# Altium PCB Card вариант 7.3 _ 7.03.2024.PcbDoc
Units mm, origin at the board's own origin, x right, y up, seen from the top; angles counter-clockwise.
Board outline 105 x 55 mm, 2 copper layers (Top Layer, Bottom Layer); 34 components, 28 nets, 219 pads, 45 vias.
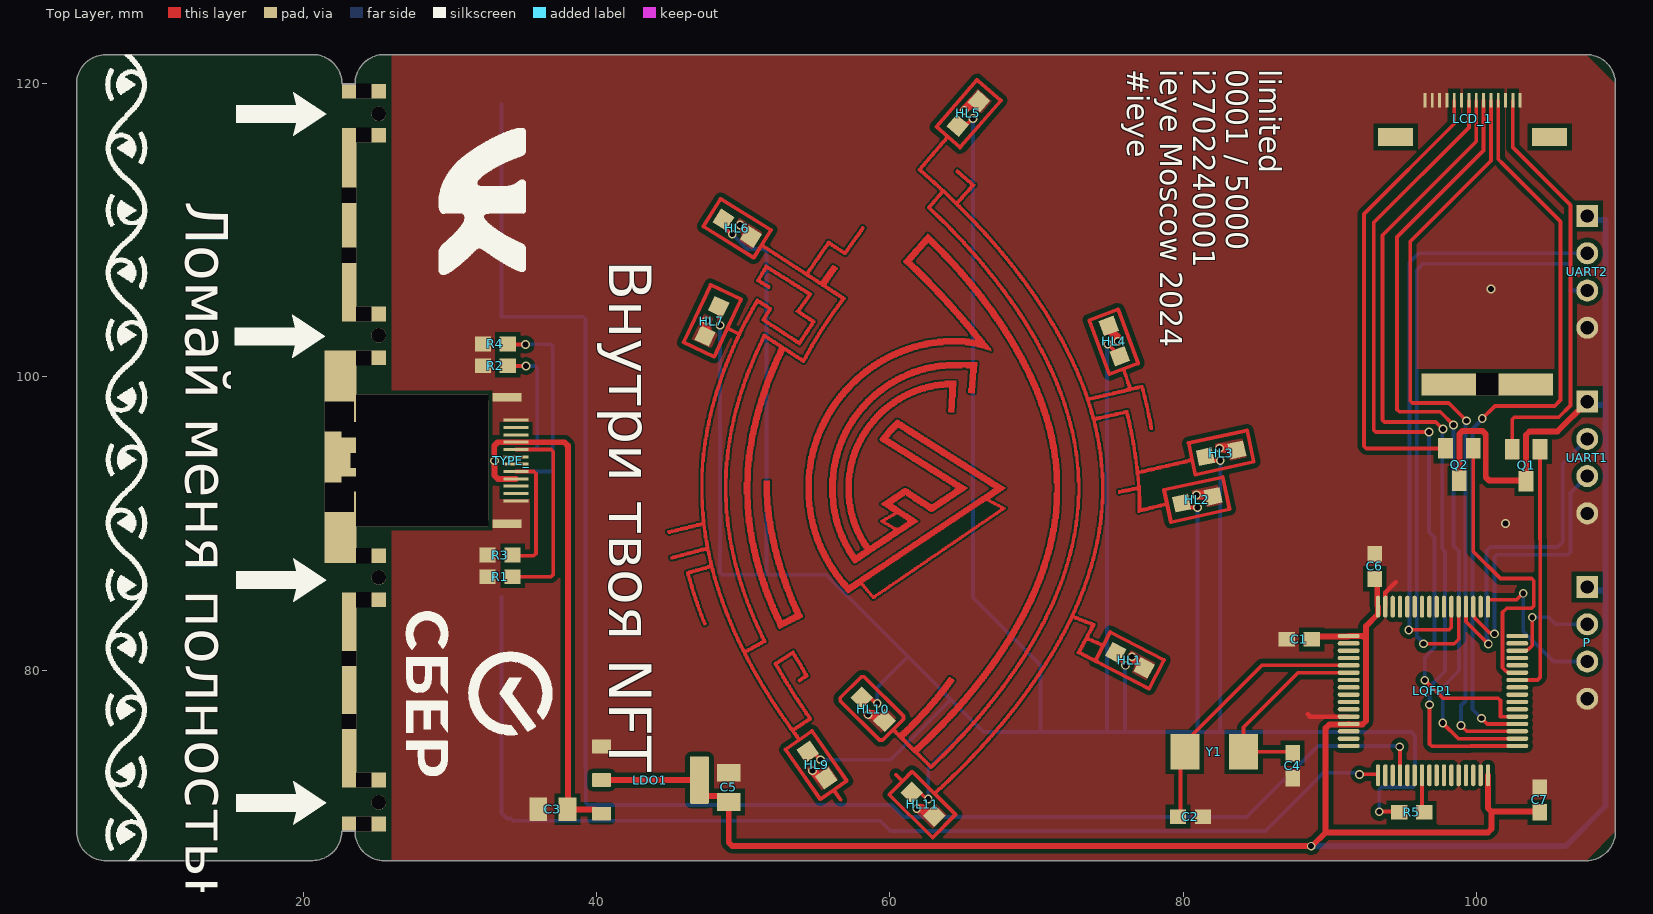
[diagram p0: Top Layer view]
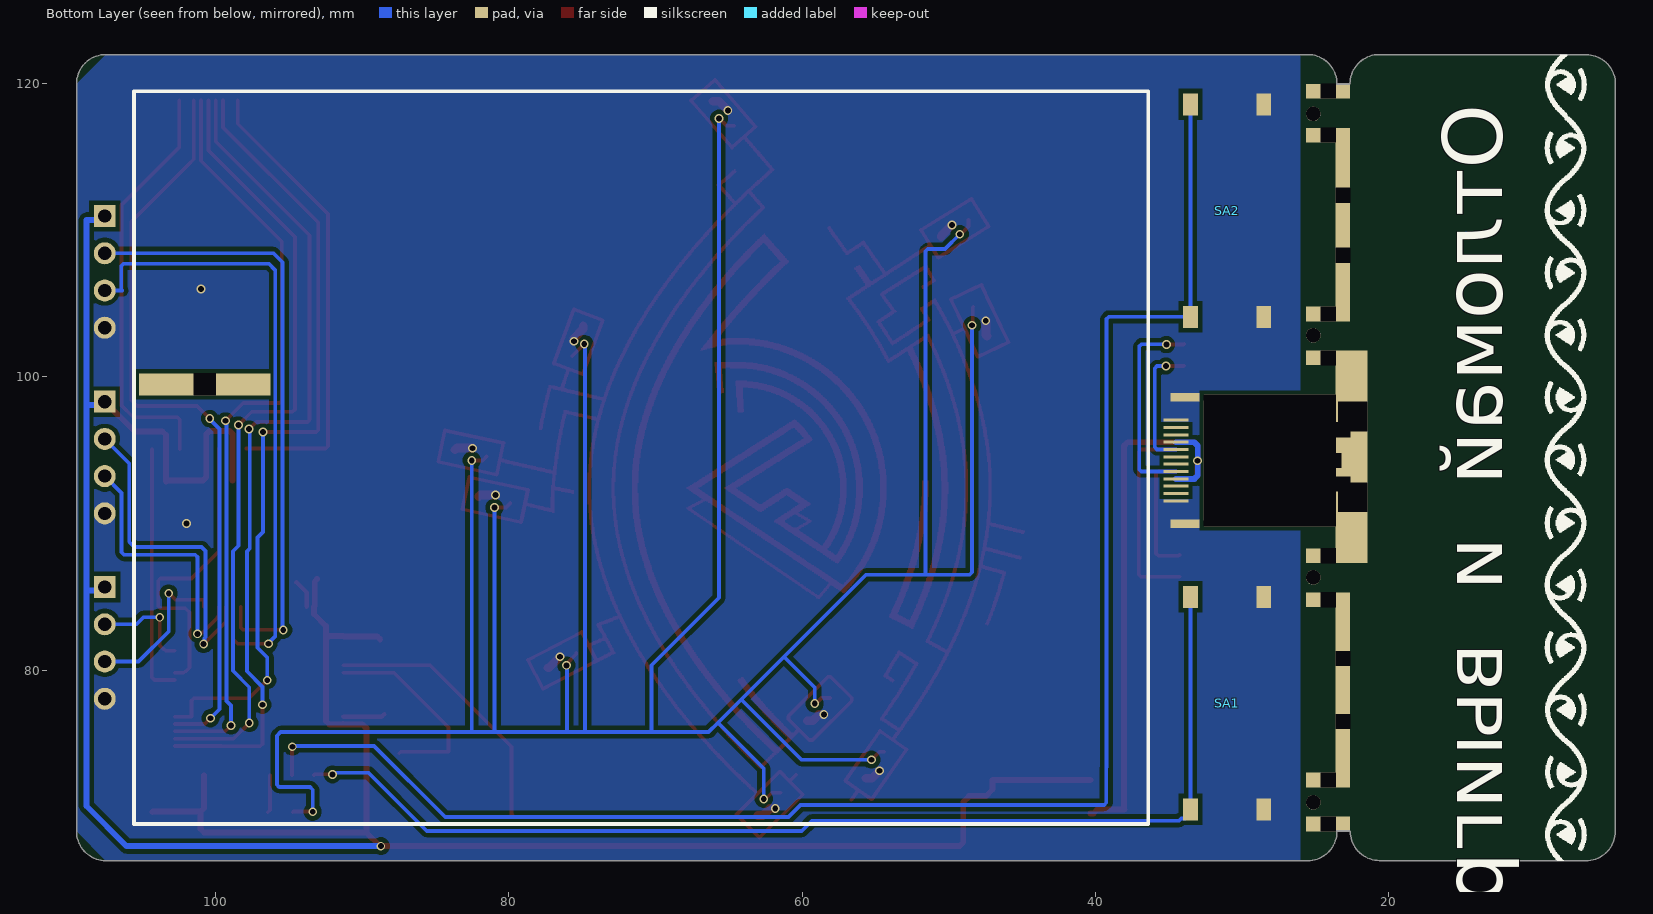
[diagram p1: Bottom Layer view, seen from below]
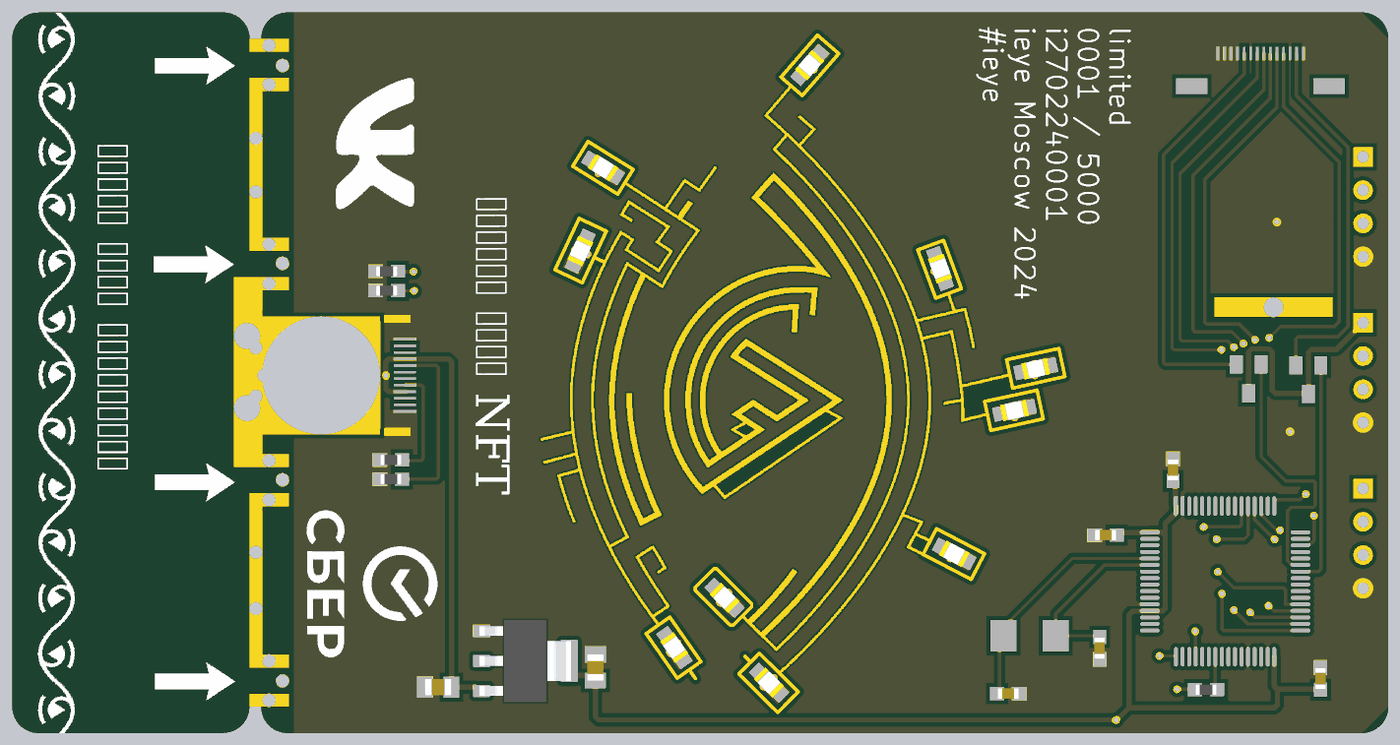
[diagram p2: 3D render of the assembled board from above, using the file's embedded part models]

## Layer stack, top to bottom
Top Solder: solder mask 0.0102, Solder Resist, Dk 3.5
Top Layer: signal copper 0.0356
Dielectric 1: dielectric 0.32, FR-4, Dk 4.8
Bottom Layer: signal copper 0.0356
Bottom Solder: solder mask 0.0102, Solder Resist, Dk 3.5

## Board outline
6.51,67 20.59,67 20.6,67.01 ccw(c20.6,69.01) 22.6,69.01 22.6,69 23.5,69 ccw(c25.5,69) 25.5,67 107.5,67 ccw(c107.5,69) 109.5,69 109.5,120 ccw(c107.5,120) 107.5,122 25.5,122 ccw(c25.5,120) 23.5,120 22.6,120 22.615,120 ccw(c20.615,120) 20.615,122 6.51,122 6.5,121.99 ccw(c6.5,119.99) 4.5,119.99 4.5,69.01 4.51,69 ccw(c6.51,69)

## Design rules (kind name [scope] priority, off if disabled: settings)
Clearance [All] p1: gap=0.125 ignorepadtopadclearanceinfootprint=TRUE except(0: Arc-Hole Track-Hole SMDPad-Hole THPad-Hole Via-Hole Fill-Hole Poly-Hole Region-Hole Text-Hole; 0.3: Arc-Poly Track-Poly SMDPad-Poly THPad-Poly Via-Poly Fill-Poly Poly-Poly)
PlaneClearance [All] p1: clearance=1
PolygonConnect [All] p1: connectstyle=Direct reliefconductorwidth=0.254 reliefentries=4 polygonreliefangle="90 Angle" airgapwidth=0.254
RoutingVias [All] p1: holewidth=0.4 width=0.6 viastyle="Through Hole" minholewidth=0.4 minwidth=0.6 maxholewidth=0.4 maxwidth=0.7
SolderMaskExpansion [All] p1: expansion=0.025 istentingtop=FALSE
Width GND [InNet('GND')] p1: maxlimit=0.6 minlimit=0.3 preferedwidth=0.6 toplayer_prefwidth=0.3 minimp=50.000000 maximp=50.000000 favimp=50.000000
Width 3V3 [InNet('3V3')] p2: maxlimit=0.4 minlimit=0.4 preferedwidth=0.4 minimp=50.000000 maximp=50.000000 favimp=50.000000
Width VCC [InNet('VCC')] p3: maxlimit=0.4 minlimit=0.4 preferedwidth=0.4 minimp=50.000000 maximp=50.000000 favimp=50.000000
Width [All] p4: maxlimit=0.254 minlimit=0.254 preferedwidth=0.254
29 further rules are at their usual default settings.

## Components (designator, comment, footprint, x,y, rotation, side; value= is the part's Value field where it differs from the comment)
C1 "100nF" C0603 87.925,82.1 r180 top
C2 "22pF" C0603 80.5,70 r0 top
C3 "Capacitor" C0805 37,70.5 r180 top value=10uF
C4 "22pF" C0603 87.475,73.475 r270 top
C5 "Capacitor" C0805 49,72 r90 top value=10uF
C6 "100nF" C0603 93.075,87.075 r270 top
C7 "100nF" C0603 104.325,71.15 r270 top
HL1 "Text" LD0805 76.375,80.675 r332 top
HL2 "Text" LD0805 80.975,91.625 r12 top
HL3 "Text" LD0805 82.6,94.8 r12 top
HL4 "Text" LD0805 75.3,102.45 r110 top
HL5 "Text" LD0805 65.347,117.98 r49 top
HL6 "Text" LD0805 49.575,110.15 r328 top
HL7 "Text" LD0805 47.85,103.8 r245 top
HL9 "Text" LD0805 55.019,73.526 r305 top
HL10 "Text" LD0805 58.85,77.325 r315 top
HL11 "Text" LD0805 62.25,70.85 r315 top
LCD_1 "LCD_10.12" LCD_1 99.725,118.875 r0 top locked
LDO1 "AMS1117" SOT229P700X180-4N 43.655,72.5 r0 top
LQFP1 "LQFP64-10x10" LQFP64-10x10 97.05,78.575 r0 top
P "Header 4" HDR1X4 107.575,85.665 r270 top locked
Q1 "S9013" SOT95P240X120-3N 103.4,93.975 r180 top
Q2 "S9013" SOT95P240X120-3N 98.85,94.025 r180 top
R1 "Resistor" R0603 33.4,86.375 r0 top locked value=470Om
R2 "Resistor" R0603 33.075,100.775 r0 top locked value=470Om
R3 "Resistor" R0603 33.4,87.85 r0 top locked value=470Om
R4 "Resistor" R0603 33.075,102.25 r0 top locked value=470Om
R5 "Resistor" R0603 95.6,70.3 r0 top value="??? Om"
SA1 "Text" BASS_02 31.125,77.875 r90 bottom locked
SA2 "Text" BASS_02 31.125,111.475 r90 bottom locked
TYPE_ "TYPE-C_18.09" TYPE-C_18.09 32.6,94.25 r270 top locked
UART1 "Header 4" HDR1X4 107.575,98.315 r270 top
UART2 "Header 4" HDR1X4 107.575,110.98 r270 top
Y1 "ABM7-8.000MHZ-8-R80-D2Y-T" NX5032GA 80.9,74.55 r180 top

## Footprints (in the part's own frame and the unit in brackets; to place one, negate y for a bottom-side part, rotate by r counter-clockwise, add the part's x,y. Pads: shape width x height; smd on the part's side, far side on the other; paste and mask are expansions set on the pad)
BASS_02 [mm]
  rect 1.5x1 smd: 1(-7.375,2.375) 1(7.125,2.375) 2(-7.375,-2.625) 2(7.125,-2.625)
C0603 [mm] "1608M"
  rect 1.1x1 smd: 1(-0.85,0) 2(0.85,0)
  body extent -0.8,-0.4 0.8,0.4, height 0.91
C0805 [mm] "2012M"
  rect 1.2x1.6 smd: 1(-1,0) 2(1,0)
  body extent -1,-0.62 1,0.63, height 1.01
HDR1X4 [mm] "Connector; Header; 4 Position"
  rect 1.5x1.5 hole 0.9: 1(0,0)
  round 1.5 hole 0.9: 2(2.54,0) 3(5.08,0) 4(7.62,0)
LCD_1 [mm]
  rect 0.2x1 smd: 1(-3.225,0) 2(-2.725,0) 3(-2.225,0) 4(-1.725,0) 5(-1.225,0) 6(-0.725,0) 7(-0.225,0) 8(0.275,0) 9(0.775,0) 10(1.275,0) 11(1.775,0) 12(2.275,0) 13(2.775,0) 14(3.275,0)
  rect 2.4x1.2 smd: ""(-5.225,-2.5) ""(5.275,-2.5)
LD0805 [mm]
  rect 1.1x1.1 smd: 1(-1.1,0) 2(1.1,0)
  body extent -1,-0.62 1,0.63, height 0.73
LQFP64-10x10 [mm] "TSQFP, 64-Leads, Body 10,00x10,00mm, Pitch 0,50mm, IPC Medium Density"
  oval 1.5x0.3 smd: 1(-5.75,3.75) 2(-5.75,3.25) 3(-5.75,2.75) 4(-5.75,2.25) 5(-5.75,1.75) 6(-5.75,1.25) 7(-5.75,0.75) 8(-5.75,0.25) 9(-5.75,-0.25) 10(-5.75,-0.75) 11(-5.75,-1.25) 12(-5.75,-1.75) 13(-5.75,-2.25) 14(-5.75,-2.75) 15(-5.75,-3.25) 16(-5.75,-3.75) 33(5.75,-3.75) 34(5.75,-3.25) 35(5.75,-2.75) 36(5.75,-2.25) 37(5.75,-1.75) 38(5.75,-1.25) 39(5.75,-0.75) 40(5.75,-0.25) 41(5.75,0.25) 42(5.75,0.75) 43(5.75,1.25) 44(5.75,1.75) 45(5.75,2.25) 46(5.75,2.75) 47(5.75,3.25) 48(5.75,3.75)
  oval 0.3x1.5 smd: 17(-3.75,-5.75) 18(-3.25,-5.75) 19(-2.75,-5.75) 20(-2.25,-5.75) 21(-1.75,-5.75) 22(-1.25,-5.75) 23(-0.75,-5.75) 24(-0.25,-5.75) 25(0.25,-5.75) 26(0.75,-5.75) 27(1.25,-5.75) 28(1.75,-5.75) 29(2.25,-5.75) 30(2.75,-5.75) 31(3.25,-5.75) 32(3.75,-5.75) 49(3.75,5.75) 50(3.25,5.75) 51(2.75,5.75) 52(2.25,5.75) 53(1.75,5.75) 54(1.25,5.75) 55(0.75,5.75) 56(0.25,5.75) 57(-0.25,5.75) 58(-0.75,5.75) 59(-1.25,5.75) 60(-1.75,5.75) 61(-2.25,5.75) 62(-2.75,5.75) 63(-3.25,5.75) 64(-3.75,5.75)
  body extent -5,-5 5,5, height 1.6
NX5032GA [mm]
  rect 2x2.4 smd: 1(-3.225,0.125) 2(0.775,0.125)
R0603 [mm] "1608M"
  rect 1.1x1 smd: 1(-0.85,0) 2(0.85,0)
  body extent -0.8,-0.4 0.8,0.4, height 0.38
SOT95P240X120-3N [mm]
  rect 1x1.4 smd: 1(-0.95,-1.1) 2(0.95,-1.1) 3(0,1.1)
SOT229P700X180-4N [mm]
  rrect15% 1.31x0.93 smd: 1(-3.345,2.29) 2(-3.345,0) 3(-3.345,-2.29)
  rrect15% 1.31x3.24 smd: 4(3.345,0)
  body extent -3.5,-3.25 3.5,3.25, height 1.8
TYPE-C_18.09 [mm]
  rect 0.2x1.7 smd: 1(-2.8,1.875) 2(-2.3,1.875) 3(-1.8,1.875) 4(-1.3,1.875) 5(-0.8,1.875) 6(-0.3,1.875) 7(0.2,1.875) 8(0.7,1.875) 9(1.2,1.875) 10(1.7,1.875) 11(2.2,1.875) 12(2.7,1.875)
  rect 0.2x1.7 smd far side: 13(2.7,1.875) 14(2.2,1.875) 15(1.7,1.875) 16(1.2,1.875) 17(0.7,1.875) 18(0.2,1.875) 19(-0.3,1.875) 20(-0.8,1.875) 21(-1.3,1.875) 22(-1.8,1.875) 23(-2.3,1.875) 24(-2.8,1.875)
  rect 0.57x2 all layers, no hole: 25(-4.365,1.275) 26(4.265,1.275)

## Part data
C1 C2 C4 C6 C7: library part Capacitor, Published=18.05.2010, Publisher="Andrew Danich", Type=Конденсатор
HL1 HL2 HL3 HL4 HL5 HL6 HL7 HL9 HL10 HL11: library part Led-1, Published=03.12.2013, Publisher="Andrew Danich", Type="Индикатор единичный"
LDO1: "1A LOW DROPOUT VOLTAGE REGULATOR SOT-223", Package="SOT-223 Seeed Technology", Availability="Not in stock", Check_prices=https://www.snapeda.com/parts/AMS1117/Advanced+Monolithic+Systems/view-part/?ref=eda, MF="Advanced Monolithic Systems", MP=AMS1117, Price=None, SnapEDA_Link=https://www.snapeda.com/parts/AMS1117/Advanced+Monolithic+Systems/view-part/?ref=snap
P UART1 UART2: "Header, 4-Pin", LatestRevisionDate=17-Jul-2002, LatestRevisionNote="Re-released for DXP Platform.", Publisher="Altium Limited"
Q1 Q2: "Bipolar (BJT) Transistor NPN 25 V 500 mA 150MHz 625 mW Through Hole TO-92", Package=None, Availability="In Stock", Check_prices=https://www.snapeda.com/parts/S9013/E-Tech/view-part/?ref=eda, MF="Yangjie Technology", MP=S9013, Price=None, Purchase-URL=https://pricing.snapeda.com/search/part/S9013/?ref=eda, SnapEDA_Link=https://www.snapeda.com/parts/S9013/E-Tech/view-part/?ref=snap
SA1 SA2: library part SW-01x-01p, Published=11.04.2014, Publisher="Andrew Danich", Type=Переключатель
Y1: "Crystal 22.1184MHz Ã‚Â±20ppm (Tol) Ã‚Â±30ppm (Stability) 18pF FUND 50Ohm 2-Pin Mini-CSMD T/R", Package=None, Availability=Unavailable, MP=ABM7-8.000MHZ-8-R80-D2Y-T, Price=None
C3 C5: SimulationGenericComponent=True
R1 R2 R3 R4 R5: SimulationGenericComponent=True, TC1=0, TC2=0

## Free pads (board coordinates)
  rect 2x9 hole 2 square: 12(22.425,91.8) 12(22.425,97.3)
  rect 1x9 hole 1 square: 12(23.1,76.5) 12(23.1,80.8) 12(23.1,92.7) 12(23.1,96.4) 12(23.1,108.3) 12(23.1,112.4) 12(23.7,94.3)
  rect 3x1 hole 1 square: 12(24.1,69.5) 12(24.1,72.5) 12(24.1,84.8) 12(24.1,87.8) 12(24.1,101.3) 12(24.1,104.3) 12(24.1,116.5) 12(24.1,119.5)
  round 1 hole 1: 12(25.125,70.975) 12(25.125,86.325) 12(25.125,102.85) 12(25.125,117.95)
  oval 9x1 hole 1 square: 12(27.825,92.575) 12(27.875,90.3) 12(27.9,90.85) 12(27.95,91.75) 12(27.95,93.225) 12(27.975,95.175) 12(28,91.35) 12(28,94.4) 12(28,96.075) 12(28,96.925) 12(28.025,94.05) 12(28.075,97.625) 12(28.075,98.3)
  rect 9x9 hole 9 square: 12(28.075,94.3)
  oval 1x9 hole 1 square: 12(32.1,94.3)
  rect 9x1.5 hole 1.5 square: 12(100.75,99.5)

## Via types
v1: diameter 0.6, hole 0.4, Top Layer to Bottom Layer, 45 vias

## Nets (pads, with @x,y where several pads share a name; then routed paths per layer and width w, separated by ;. In a path a pad name is that pad's centre, name@x,y a point inside that pad or via, vN(x,y) a via of type N, cw(c..) or ccw(c..) an arc to the next point about the centre after c; other vN are vias at no path point)
3V3: C1.1 C5.1 C6.2 C7.2 LDO1.2 LDO1.4 LQFP1.1 LQFP1.13 LQFP1.32 LQFP1.64 P.1 Q1.3 Q2.3 UART1.1 UART2.1 | length 180.8
  Top Layer w0.4: LDO1.2 LDO1.4 47,71.855 47.455,71.4 48.6,71.4 C5.1 49,68.234 49.234,68 88.8,68 89.725,68.925 ; C1.1 88.975,82.3 91.275,82.3 LQFP1.1 92.241,82.325 92.475,82.091 ; C6.2 93.25,86.05 93.25,84.375 LQFP1.64 93.3,83.825 92.475,83 92.475,82.091 ; Q2.3 98.85,96.091 99.084,96.325 100.416,96.325 100.65,96.091 100.65,93.159 100.884,92.925 103.35,92.925 Q1.3 103.4,96.041 103.634,96.275 105.535,96.275 UART1.1 ; LQFP1.32 100.8,70.584 101.034,70.35 ; C7.2 104.275,70.35 101.034,70.35 ; 89.725,68.925 100.8,68.925 101.034,69.159 101.034,70.35 ; 89.725,68.925 89.725,76.041 89.984,76.3 91.275,76.3 LQFP1.13 91.325,76.3 92.241,76.3 92.475,76.534 92.475,82.091
  Bottom Layer w0.4: v1(88.736,67.987) 106.087,67.987 108.825,70.725 108.825,85.431 ; P.1 107.809,85.431 108.825,85.431 ; UART1.1 107.809,98.081 108.825,98.081 ; UART2.1 107.839,110.716 108.825,110.716 108.825,98.081 ; 108.825,85.431 108.825,98.081
GND: C1.2 C2.2 C3.2 C4.2 C5.2 C6.1 C7.1 HL1.2 HL2.2 HL3.2 HL4.2 HL5.2 HL6.2 HL7.2 HL9.2 HL10.2 HL11.2 LCD_1.1 LCD_1.2 LCD_1.3 LCD_1.4 LCD_1.6 LCD_1.12 LCD_1.14 LDO1.1 LQFP1.12 LQFP1.28 LQFP1.31 LQFP1.63 P.4 R1.1 R2.1 R3.1 R4.1 SA1.2 SA2.2 TYPE_.1 TYPE_.12 TYPE_.13 TYPE_.24 TYPE_.25 TYPE_.26 UART1.4 UART2.4 | length 17
  Top Layer w0.3: 88.5,77 88.675,76.825 LQFP1.12 ; LQFP1.63 93.8,85.3 94.5,86
  Top Layer w0.6: HL7.2 47.45,102.868 v1@47.45,103.85 ; v1@49.8,110.35 50.508,109.642 HL6.2 ; v1@54.7,73.15 55.225,72.625 HL9.2 ; v1@58.5,76.975 58.846,76.975 59.274,76.547 HL10.2 ; v1(61.825,70.55) 62.196,70.55 62.674,70.072 HL11.2 ; v1@65.05,118.2 65.052,118.2 65.662,118.81 HL5.2 ; HL4.2 74.924,103.283 75.562,102.645 v1(75.562,102.438) ; v1@76.5,80.925 77.266,80.159 HL1.2 ; v1@80.9,91.95 81.955,91.95 HL2.2 ; v1@82.475,95.15 83.555,95.15 HL3.2
  other v1: 54.711,73.137 58.511,76.962 76.511,80.912 102,90 80.911,91.937 82.486,95.137 47.461,103.837 101,106 49.761,110.362 65.061,118.187
NetC2_1: C2.1 LQFP1.5 Y1.2 | length 18.6
  Top Layer w0.254: C2.1 79.825,70.175 79.825,74.425 79.825,74.775 85.375,80.325 LQFP1.5
NetC4_1: C4.1 LQFP1.6 Y1.1 | length 13.8
  Top Layer w0.254: C4.1 87.375,74.425 Y1.1 84.125,76.106 87.844,79.825 LQFP1.6
NetHL1_1: HL1.1 HL2.1 HL3.1 HL4.1 HL5.1 HL6.1 HL7.1 HL9.1 HL10.1 HL11.1 R5.1 | length 244.5
  Top Layer w0.254: HL7.1 48.356,104.756 48.356,103.569 v1(48.396,103.529) ; HL6.1 48.642,110.258 v1@49.225,109.675 ; HL9.1 54.723,74.427 v1@55.25,73.9 ; HL10.1 58.67,78.103 59.048,77.725 v1@59.15,77.725 ; HL11.1 62.07,71.628 62.473,71.225 v1@62.6,71.225 ; HL5.1 65.15,117.15 v1@65.65,117.65 ; v1(74.859,102.259) 74.859,102.246 75.676,101.429 HL4.1 ; HL1.1 75.404,81.09 76.075,80.418 v1(76.075,80.325) ; HL2.1 80.195,91.1 v1@80.975,91.1 ; HL3.1 81.789,94.306 v1(82.536,94.306) ; v1@93.375,70.35 94.7,70.35 R5.1
  Bottom Layer w0.254: v1(48.396,103.529) 48.396,86.676 48.56,86.512 51.55,86.512 ; v1(49.236,109.737) 50.249,108.725 51.426,108.725 51.575,108.576 51.575,86.537 51.55,86.512 ; v1(55.261,73.887) 60.037,73.887 64.15,78 ; v1(59.136,77.712) 59.136,78.811 61.238,80.913 ; v1(62.611,71.212) 62.611,73.286 65.738,76.412 ; v1(65.661,117.637) 65.661,84.939 70.275,80.325 70.275,75.775 ; 74.811,75.849 74.811,102.211 v1(74.859,102.259) ; v1(76.075,80.325) 76.036,80.286 76.036,75.775 ; v1(80.986,91.087) 80.986,75.789 81,75.775 ; v1(82.536,94.306) 82.536,75.786 82.525,75.775 ; v1(93.386,70.337) 93.386,71.839 93.573,72.025 95.676,72.025 95.825,72.174 95.825,75.525 95.575,75.775 82.525,75.775 ; 51.55,86.512 55.638,86.512 61.238,80.913 ; 61.238,80.913 64.15,78 ; 64.15,78 65.738,76.412 ; 65.738,76.412 66.375,75.775 70.275,75.775 ; 70.275,75.775 74.811,75.775 76.036,75.775 ; 76.036,75.775 81,75.775 ; 81,75.775 82.525,75.775
NetLCD_1_5: LCD_1.5 Q2.2 | length 31.8
  Top Layer w0.254: Q2.2 92.499,95.125 92.35,95.274 92.35,111.125 98.5,117.275 LCD_1.5
NetLCD_1_7: LCD_1.7 LQFP1.37 | length 54.4
  Top Layer w0.254: v1@96.475,79.325 97.725,78.075 101.501,78.075 101.65,77.926 101.65,76.825 LQFP1.37 ; v1(96.775,96.25) 93.149,96.25 93,96.399 93,110.525 99.5,117.025 LCD_1.7
  Bottom Layer w0.254: v1(96.486,79.312) 96.486,80.861 97.15,81.525 97.15,89.053 96.775,89.428 v1(96.775,96.25)
NetLCD_1_8: LCD_1.8 LQFP1.33 | length 56.9
  Top Layer w0.254: v1@96.8,77.65 v1(96.811,77.637) 96.811,74.961 96.96,74.813 99.613,74.813 99.625,74.825 LQFP1.33 ; v1(97.725,96.45) 97.712,96.45 97.237,96.925 93.749,96.925 93.6,97.074 93.6,109.675 100,116.075 LCD_1.8
  Bottom Layer w0.254: v1(96.811,77.637) 96.811,78.857 97.875,79.92 97.875,88.101 97.675,88.301 97.675,96.4 v1(97.725,96.45)
NetLCD_1_9: LCD_1.9 LQFP1.34 | length 54.3
  Top Layer w0.254: v1@97.7,76.4 98.775,75.325 LQFP1.34 ; v1(98.45,96.725) 97.55,97.625 94.749,97.625 94.6,97.774 94.6,109.55 100.5,115.45 LCD_1.9
  Bottom Layer w0.254: v1(97.711,76.387) 97.711,78.836 98.829,79.954 98.829,88.103 98.45,88.482 v1(98.45,96.725)
NetLCD_1_10: LCD_1.10 LQFP1.35 | length 52.1
  Top Layer w0.254: v1@98.95,76.225 99.35,75.825 LQFP1.35 ; v1(99.335,97.01) 98.12,98.225 95.649,98.225 95.5,98.374 95.5,109.25 101,114.75 LCD_1.10
  Bottom Layer w0.254: v1(98.961,76.212) 98.961,77.586 99.271,77.896 v1@99.271,96.95
NetLCD_1_11: LCD_1.11 LQFP1.36 | length 51.6
  Top Layer w0.254: v1@100.35,76.725 100.75,76.325 LQFP1.36 ; v1(100.41,97.16) 101.275,98.025 105.35,98.025 105.75,98.425 105.75,110.6 101.825,114.525 101.5,114.85 LCD_1.11
  Bottom Layer w0.254: v1(100.361,76.712) 99.75,77.324 99.75,96.45 v1@100.4,97.1
NetLCD_1_13: LCD_1.13 Q1.2 | length 28.8
  Top Layer w0.254: Q1.2 102.45,97.101 102.599,97.25 105.625,97.25 106.425,98.05 106.425,111.725 102.5,115.65 LCD_1.13
NetLQFP1_17: LQFP1.17 SA1.1 | length 76.8
  Top Layer w0.254: v1(92.036,72.887) 93.279,72.887 93.3,72.866 LQFP1.17
  Bottom Layer w0.254: SA1.1@33.5,85 33.5,70.5 33.5,70.25 33.873,69.877 34.123,69.877 34.275,69.725 59.325,69.725 60.025,69.025 85.6,69.025 89.575,73 91.925,73 v1@92.025,72.9
NetLQFP1_20: LQFP1.20 SA2.1 | length 113.2
  Top Layer w0.254: v1(94.775,74.775) 94.791,74.759 94.791,72.834 LQFP1.20
  Bottom Layer w0.254: SA2.1@33.5,118.6 33.5,104.1 39.076,104.1 39.225,103.951 39.225,73.375 39.25,73.35 39.25,70.949 39.399,70.8 60.1,70.8 60.925,69.975 84.35,69.975 89.2,74.825 94.725,74.825 v1(94.775,74.775)
NetLQFP1_23: LQFP1.23 R5.2 | length 2.6
  Top Layer w0.254: LQFP1.23 96.3,70.45 R5.2
NetLQFP1_42: LQFP1.42 Q1.1 | length 17.2
  Top Layer w0.254: LQFP1.42 104.176,79.325 104.377,79.526 104.377,88.923 104.35,88.95 Q1.1
NetLQFP1_43: LQFP1.43 Q2.1 | length 20.9
  Top Layer w0.254: Q2.1 99.8,88.101 101.65,86.251 103.776,86.251 103.925,86.102 103.925,84.374 103.776,84.225 102.078,84.225 101.798,83.945 101.798,80.158 102.033,79.923 102.09,79.923 102.188,79.825 LQFP1.43
NetLQFP1_46: LQFP1.46 P.2 | length 7
  Top Layer w0.254: LQFP1.46 103.412,81.325 103.51,81.423 103.567,81.423 103.825,81.681 v1(103.825,83.6)
  Bottom Layer w0.254: v1(103.825,83.6) 104.936,83.6 105.411,83.125 P.2
NetLQFP1_49: LQFP1.49 P.3 | length 10.9
  Top Layer w0.254: LQFP1.49 100.8,84.777 100.821,84.798 102.748,84.798 v1@103.2,85.25
  Bottom Layer w0.254: v1(103.211,85.237) 103.211,82.639 105.265,80.585 P.3
NetLQFP1_51: LQFP1.51 UART1.3 | length 18.8
  Top Layer w0.254: LQFP1.51 99.8,83.713 99.898,83.615 99.898,83.558 100.915,82.541 101.18,82.541 v1(101.246,82.475)
  Bottom Layer w0.254: v1(101.246,82.475) 101.246,87.726 101.395,87.875 106.265,87.875 106.432,88.043 106.432,92.092 UART1.3
NetLQFP1_52: LQFP1.52 UART1.2 | length 22.8
  Top Layer w0.254: LQFP1.52 99.3,83.3 v1(100.825,81.775)
  Bottom Layer w0.254: v1(100.825,81.775) 100.768,81.832 100.768,82.124 ccw(c100.65,82.124) 100.733,82.207 100.694,82.246 100.694,88.12 100.974,88.4 105.55,88.4 105.9,88.75 105.9,94.1 UART1.2
NetLQFP1_53: LQFP1.53 UART2.3 | length 44.1
  Top Layer w0.254: v1(96.4,81.8) 98.5,81.8 98.8,82.1 LQFP1.53
  Bottom Layer w0.254: v1(96.4,81.8) 96.4,81.847 95.95,82.297 95.95,107.3 96.375,107.725 106.301,107.725 106.45,107.576 106.45,105.975 106.375,105.9 UART2.3
NetLQFP1_54: LQFP1.54 UART2.2 | length 41.9
  Top Layer w0.254: v1(95.398,82.737) 95.411,82.75 98.151,82.75 98.3,82.899 LQFP1.54
  Bottom Layer w0.254: v1(95.398,82.737) 95.45,82.789 95.45,107.827 96.063,108.44 UART2.2
NetR1_2: R1.2 TYPE_.5 | length 13.8
  Top Layer w0.254: R1.2 36.876,86.375 37.025,86.524 37.025,94.901 36.876,95.05 TYPE_.5
NetR2_2: R2.2 TYPE_.20 | length 9
  Top Layer w0.254: R2.2 33.95,100.75 v1(35.175,100.75)
  Bottom Layer w0.254: TYPE_.20 35.776,95.05 35.925,95.199 35.925,100.601 35.776,100.75 v1(35.175,100.75)
NetR3_2: R3.2 TYPE_.8 | length 8.6
  Top Layer w0.254: R3.2 34.3,87.8 35.701,87.8 35.85,87.949 35.85,93.401 35.701,93.55 TYPE_.8
NetR4_2: R4.2 TYPE_.17 | length 14.1
  Top Layer w0.254: R4.2 33.963,102.212 v1(35.136,102.212)
  Bottom Layer w0.254: TYPE_.17 36.851,93.55 37,93.699 37,102.076 36.851,102.225 v1@35.125,102.225
VCC: C3.1 LDO1.3 TYPE_.4 TYPE_.9 TYPE_.16 TYPE_.21 | length 41.3
  Top Layer w0.4: v1@33,94.287 33,95.316 33.234,95.55 37.791,95.55 38.025,95.316 38.025,70.525 C3.1 39.83,70.5 40.12,70.21 LDO1.3 ; v1(33.025,94.287) 33.011,94.274 33.011,93.284 33.246,93.05 TYPE_.9
  Bottom Layer w0.4: v1@33,94.287 33,95.316 33.234,95.55 TYPE_.21 ; v1(33.025,94.287) 33,94.262 33,93.284 33.234,93.05 TYPE_.16
pads on no net: LCD_1. LQFP1.2 LQFP1.3 LQFP1.4 LQFP1.7 LQFP1.8 LQFP1.9 LQFP1.10 LQFP1.11 LQFP1.14 LQFP1.15 LQFP1.16 LQFP1.18 LQFP1.19 LQFP1.21 LQFP1.22 LQFP1.24 LQFP1.25 LQFP1.26 LQFP1.27 LQFP1.29 LQFP1.30 LQFP1.38 LQFP1.39 LQFP1.40 LQFP1.41 LQFP1.44 LQFP1.45 LQFP1.47 LQFP1.48 LQFP1.50 LQFP1.55 LQFP1.56 LQFP1.57 LQFP1.58 LQFP1.59 LQFP1.60 LQFP1.61 LQFP1.62 TYPE_.2 TYPE_.3 TYPE_.6 TYPE_.7 TYPE_.10 TYPE_.11 TYPE_.14 TYPE_.15 TYPE_.18 TYPE_.19 TYPE_.22 TYPE_.23
copper on no net: | length 128.2
  Top Layer w0.254: 48.904,103.312 49.636,102.967 ; 49.8,105.225 48.905,103.311 48,101.375 45.911,102.361 47.762,106.285 49.85,105.3 ; 56.2,71.775 56.636,71.15 ; 59.945,71.504 60.854,72.413 60.854,72.421 61.502,73.074 ; 59.95,71.5 62.85,68.625 ; 60.41,72.861 60.825,72.45 ; 61.575,73.025 64.4,70.225 ; 62.923,68.576 64.48,70.146 ; 63.15,117.075 64.785,115.654 ; 63.161,117.065 65.945,120.27 ; 64.825,115.7 67.556,118.844 ; 66.025,120.2 67.569,118.859 ; 74,80.625 75.026,82.596 78.695,80.685 77.675,78.725 74.025,80.625 ; 78.699,92.307 82.702,93.165 82.7,93.175 83.17,90.982 79.173,90.094 78.7,92.3 ; 47.268,110.263 50.709,108.132 51.879,110.021 48.438,112.152 47.268,110.263 ; 52.87,74.584 54.677,75.846 57.052,72.446 56.164,71.826 55.245,71.184 52.87,74.584 ; 56.613,77.901 59.291,75.224 59.501,75.224 60.928,76.651 60.928,76.861 58.249,79.539 58.039,79.539 56.613,78.113 56.613,77.901 ; 73.599,103.877 74.964,100.193 76.93,100.922 75.564,104.605 73.599,103.877 ; 80.374,95.495 84.366,96.35 84.825,94.209 80.84,93.323 80.374,95.495

## Polygon pours and split planes (outlines as drawn)
GND on Bottom Layer "NONET_L-01_P-001" (solid, remove dead copper, pour order 1): 26,122 26,67 107.5,67 109.5,69 109.5,120 107.5,122
GND on Top Layer "NONET_L-01_P-001" (solid, remove dead copper, pour order 2): 26,122 26,67 107.5,67 109.5,69 109.5,120 107.5,122

## Other copper
Top Layer:
  region: 4473 vertices and 0 holes, not listed, extent 44.809,75.249 58.274,110.275
  region: 11311 vertices and 2 holes, not listed, extent 54.248,71.548 80.668,116.383

## Silkscreen, mask and mechanical layers (free items; w line width, h text height)
Top Overlay:
  drawing of 25 lines, arcs and shapes, not listed
  text "limited / 0001 / 5000 / i2702240001 / ieye Moscow 2024 / #ieye" at 76.202,121 h1.5 r270
  text "Ломай меня полностью" at 11,112 h5 r270
  text "Внутри твоя NFT" at 39.9,107.95 h5 r270
Bottom Overlay:
  drawing of 18 lines, arcs and shapes, not listed
  text "Отломай  и  выиграй" at 10.9,118.6 h7 r270
Top Solder:
  drawing of 53 lines, arcs and shapes, not listed
Mechanical 1:
  lines w0.2: 4.5,69.01 4.5,119.99 cw(c6.5,119.99) 6.5,121.99 ; 4.51,69 ccw(c6.51,69) 6.51,67 20.59,67 ; 6.51,122 20.615,122 cw(c20.615,120) 22.615,120 ; 20.6,67.01 ccw(c20.6,69.01) 22.6,69.01 ; 22.6,69 23.5,69 ccw(c25.5,69) 25.5,67 107,67 ; 22.6,120 23.5,120 cw(c25.5,120) 25.5,122 107.5,122 cw(c107.5,120) 109.5,120 109.5,69 cw(c107.5,69) 107.5,67 107,67 ; 107,67 107,67